# KiCad board PROC099A_PCB-PcbDoc.kicad_pcb (continued)
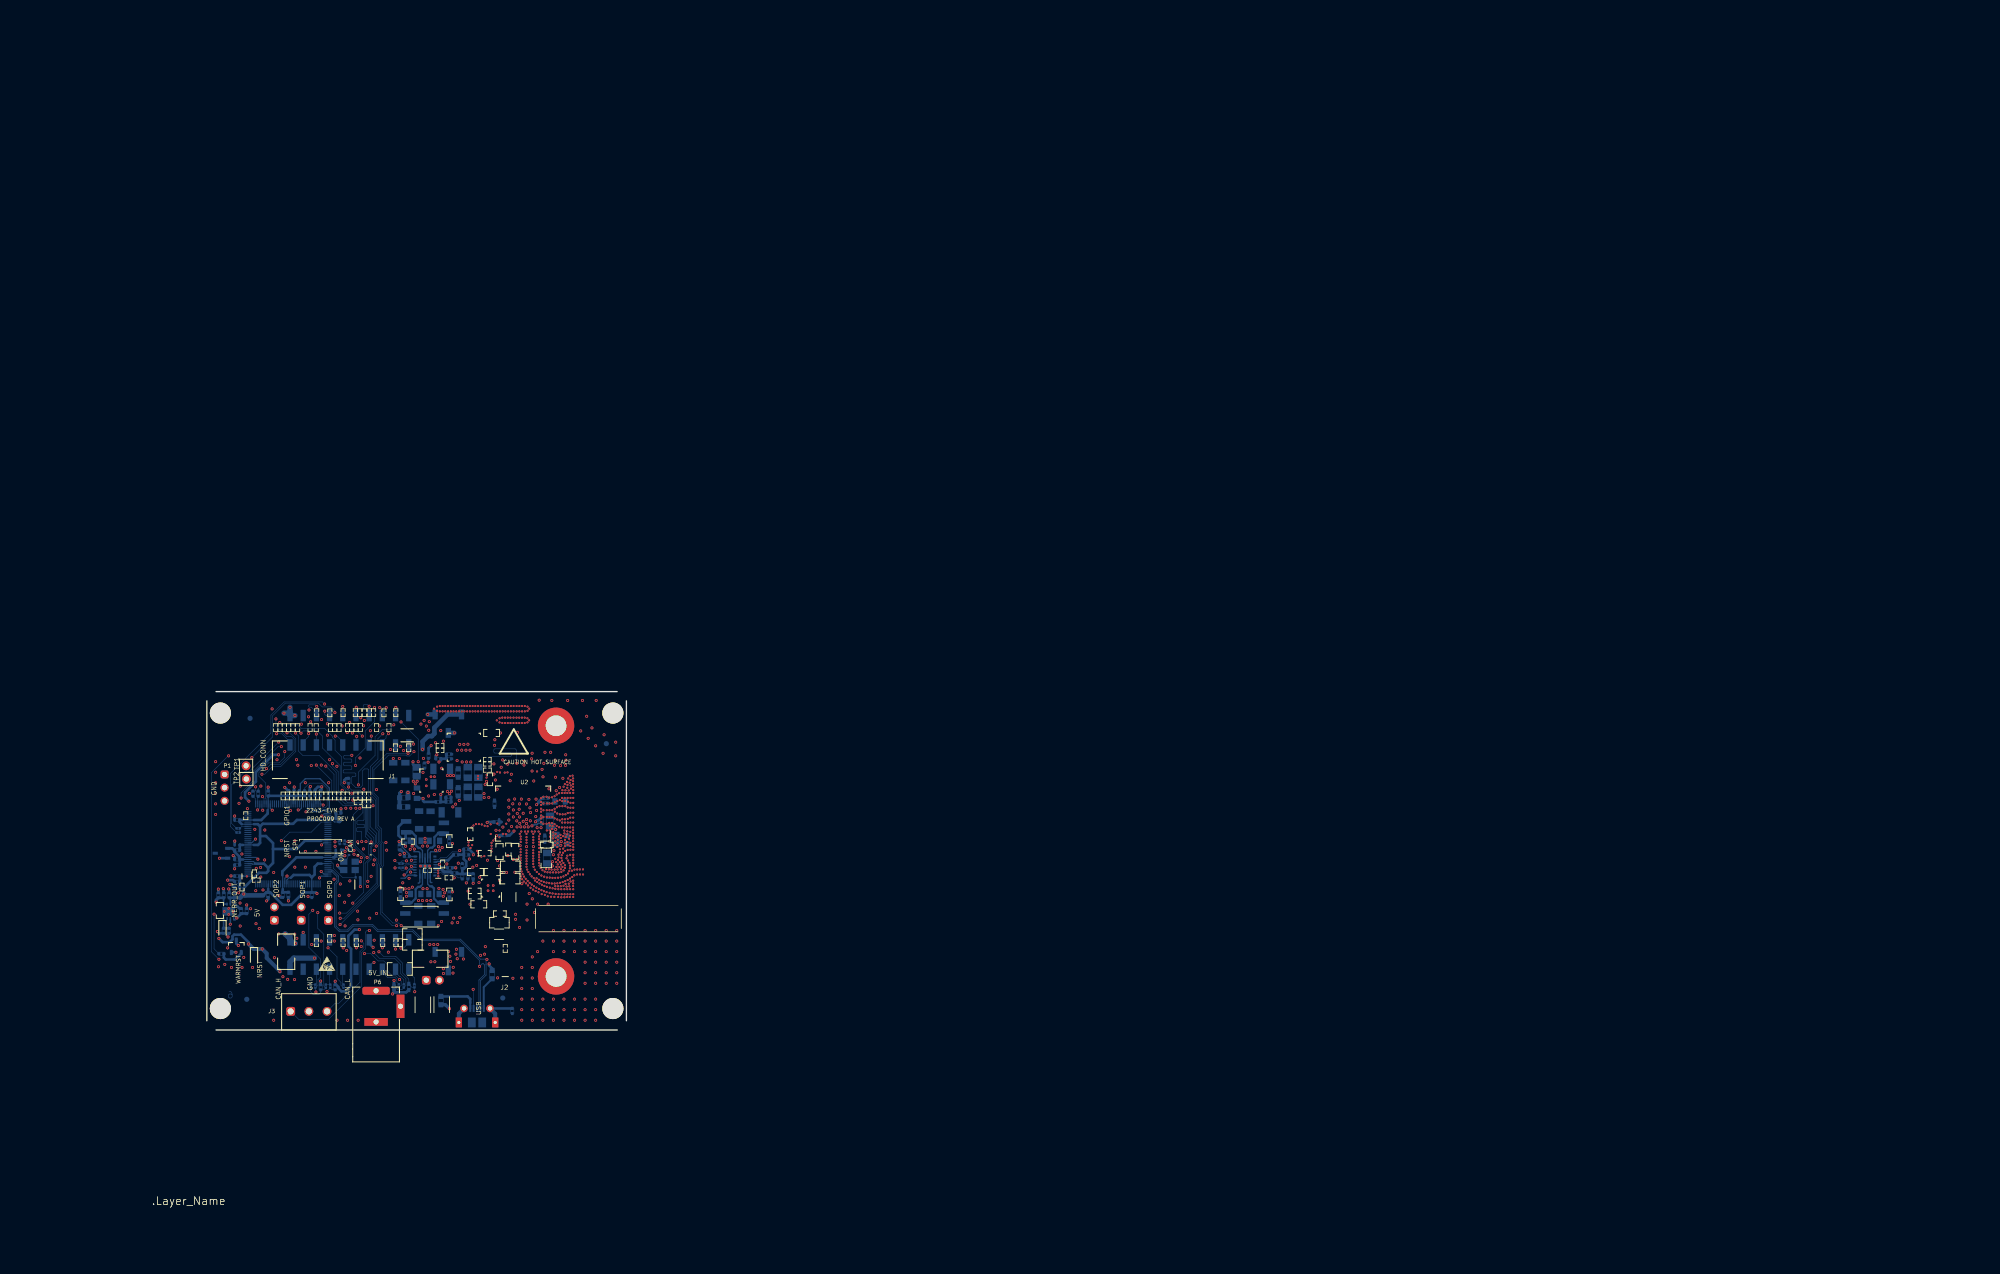
[diagram p0: board, top side]
## Routing (per net, layer and track width the routed paths; a pad name or vN(x,y) marks a point on that pad's centre or on a via; arc(x,y) is an arc through that point) (continued)
46.07,45.95 ; 46.79,46.55 47.13,46.55 ; 47.3,45.61 47.63,45.61 ; 45.84,45.16 46.05,45.16 ; 44.93,49.38 45.6,49.38 ; 46.66,46.78 47,46.78 ; 45.89,46.03 46.1,46.03 ; 44.1,46.18 44.33,46.18 ; 46.17,44.04 46.37,44.04 ; 43.97,45.78 44.18,45.78 ; 44.55,48.71 44.89,48.71 ; 44.31,44.32 44.51,44.32 ; 44.93,45.89 45.14,45.89 ; 41.36,43.08 41.7,43.08 ; 44.46,48.56 44.8,48.56 ; 44.47,48.57 44.81,48.57 ; 45.17,44.59 45.38,44.59 ; 42.82,45.68 43.17,45.68 ; 46.29,47.46 46.64,47.46 ; 47.7,44.85 48.04,44.85 ; 46.21,47.61 46.56,47.61 ; 45.87,45.98 46.09,45.98 ; 43.9,47.56 44.24,47.56 ; 45.12,49.71 45.41,49.71 ; 46.17,44.13 46.38,44.13 ; 42.22,44.62 42.57,44.62 ; 44.86,49.25 45.2,49.25 ; 44.07,46.11 44.3,46.11 ; 45.81,45.41 46.01,45.41 ; 48.51,43.35 48.85,43.35 ; 41.99,44.2 42.33,44.2 ; 43.48,46.84 43.83,46.84 ; 43.26,46.44 43.6,46.44 ; 43.36,46.61 43.7,46.61 ; 41.77,43.82 42.12,43.82 ; 45.83,48.32 46.17,48.32 ; 45.19,44.53 45.41,44.53 ; 43.18,46.3 43.52,46.3 ; 45.04,44.85 45.27,44.85 ; 45.98,44.79 46.2,44.79 ; 41.24,42.81 49.1,42.81 ; 44.17,46.3 44.37,46.3 ; 44.93,49.37 45.6,49.37 ; 46.72,46.67 47.06,46.67 ; 43.98,45.17 44.19,45.17 ; 45.81,45.42 46.01,45.42 ; 44.31,48.29 44.65,48.29 ; 45.44,49.05 45.78,49.05 ; 43.99,45.15 44.2,45.15 ; 42.81,45.65 43.15,45.65 ; 45.8,45.59 46,45.59 ; 46.17,44.25 46.38,44.25 ; 45.08,49.64 45.46,49.64 ; 42.46,45.03 42.8,45.03 ; 44.33,44.17 44.52,44.17 ; 47.87,44.55 48.21,44.55 ; 43.87,47.52 44.22,47.52 ; 46.16,44.01 46.37,44.01 ; 45.96,46.2 46.19,46.2 ; 41.78,43.83 42.12,43.83 ; 43.04,46.07 43.39,46.07 ; 43.33,46.57 43.68,46.57 ; 42.26,44.68 42.6,44.68 ; 42.95,45.89 43.29,45.89 ; 45.64,48.67 45.98,48.67 ; 44.28,43.79 44.47,43.79 ; 48.04,44.22 48.39,44.22 ; 46.06,44.62 46.28,44.62 ; 48.25,43.85 48.59,43.85 ; 43.45,46.78 43.79,46.78 ; 44.21,48.12 44.55,48.12 ; 46.17,44.11 46.38,44.11 ; 44.01,45.92 44.22,45.92 ; 45.87,45.04 46.09,45.04 ; 47.68,44.89 48.02,44.89 ; 43.95,45.39 44.15,45.39 ; 44.25,48.19 44.59,48.19 ; 45.97,46.22 46.2,46.22 ; 46.14,47.75 46.48,47.75 ; 45.23,43.88 45.43,43.88 ; 45.04,49.57 45.49,49.57 ; 47.61,45.03 47.95,45.03 ; 43.38,46.66 43.73,46.66 ; 44.31,44.02 44.52,44.02 ; 44.76,49.09 45.1,49.09 ; 46.17,43.75 46.29,43.75 ; 46.6,46.9 46.94,46.9 ; 46.17,44.06 46.38,44.06 ; 46.17,44.06 arc(46.17,44.03) 46.16,44 ; 46.17,44.06 arc(46.17,44.09) 46.17,44.13 arc(46.18,44.15) 46.18,44.18 ; 43.41,46.7 43.75,46.7 ; 43.43,46.75 43.78,46.75 ; 43.99,47.73 44.33,47.73 ; 45.98,48.04 46.32,48.04 ; 45.25,44.35 45.46,44.35 ; 46.18,44.16 46.38,44.16 ; 46.15,43.95 46.36,43.95 ; 41.94,44.11 42.28,44.11 ; 44.92,45.84 45.13,45.84 ; 48.29,43.76 48.63,43.76 ; 45.02,46.13 45.24,46.13 ; 43.95,45.4 44.15,45.4 ; 43.22,46.37 43.56,46.37 ; 41.46,43.27 41.81,43.27 ; 41.24,42.76 49.11,42.76 ; 44.33,48.33 44.68,48.33 ; 44,45.89 44.21,45.89 ; 42.35,44.83 42.69,44.83 ; 47.84,44.6 48.18,44.6 ; 44.05,44.95 44.27,44.95 ; 45.82,45.24 46.03,45.24 ; 46.07,44.61 46.28,44.61 ; 47.37,45.47 47.71,45.47 ; 43.98,45.8 44.18,45.8 ; 44.32,44.27 44.52,44.27 ; 41.48,43.3 41.82,43.3 ; 43.95,45.47 44.15,45.47 ; 45.76,48.45 46.1,48.45 ; 48.52,43.34 48.86,43.34 ; 45.81,45.71 46.02,45.71 ; 48.67,43.06 49,43.06 ; 46.64,46.83 46.98,46.83 ; 41.24,42.79 49.11,42.79 ; 42.48,45.07 42.82,45.07 ; 46.05,46.36 46.2,46.36 ; 46.05,46.36 arc(46.03,46.33) 46,46.29 ; 44.6,48.8 44.94,48.8 ; 41.75,43.79 42.1,43.79 ; 42.07,44.35 42.42,44.35 ; 48.23,43.87 48.58,43.87 ; 43.75,47.31 44.09,47.31 ; 45.84,45.17 46.05,45.17 ; 45.11,44.72 45.33,44.72 ; 45.11,44.71 45.33,44.71 ; 47.78,44.71 48.12,44.71 ; 45.82,48.33 46.16,48.33 ; 48.28,44.42 48.51,43.99 ; 43.95,45.67 44.16,45.67 ; 45.22,43.85 45.42,43.85 ; 46.95,46.25 47.29,46.25 ; 45.09,49.66 45.44,49.66 ; 45.33,49.24 45.67,49.24 ; 42.34,44.82 42.69,44.82 ; 47.46,45.3 47.8,45.3 ; 43.62,47.07 43.96,47.07 ; 44.66,48.9 45,48.9 ; 45.99,46.27 46.22,46.27 ; 42.78,45.61 43.13,45.61 ; 43.89,47.55 44.23,47.55 ; 42.46,45.04 42.81,45.04 ; 44.99,46.08 45.21,46.08 ; 45.95,44.84 46.18,44.84 ; 45.52,48.89 45.86,48.89 ; 46,44.76 46.22,44.76 ; 48.24,43.86 48.58,43.86 ; 47.04,46.09 47.38,46.09 ; 45.81,45.36 46.01,45.36 ; 41.72,43.72 42.06,43.72 ; 45.72,48.52 46.06,48.52 ; 44.77,49.1 45.11,49.1 ; 44.9,45.29 45.11,45.29 ; 44.93,45.18 45.13,45.18 ; 48.14,44.04 48.48,44.04 ; 42.87,45.75 43.21,45.75 ; 47.18,45.81 47.52,45.81 ; 43.44,46.77 43.79,46.77 ; 43.01,46 43.35,46 ; 48.19,43.94 48.53,43.94 ; 44.7,48.97 45.04,48.97 ; 41.85,43.95 42.19,43.95 ; 48.19,43.95 48.53,43.95 ; 43.92,47.6 44.26,47.6 ; 43.97,45.23 44.18,45.23 ; 42.2,44.57 42.54,44.57 ; 45.36,49.19 45.71,49.19 ; 46.17,47.69 46.51,47.69 ; 43,45.98 43.34,45.98 ; 42.69,45.44 43.04,45.44 ; 47.11,45.95 47.45,45.95 ; 43.96,45.72 44.17,45.72 ; 44.32,44.11 44.52,44.11 ; 44.89,45.45 45.1,45.45 ; 43.17,46.29 43.52,46.29 ; 44.9,45.67 45.1,45.67 ; 44.65,48.88 44.99,48.88 ; 44.36,48.38 44.7,48.38 ; 47.49,45.25 47.82,45.25 ; 47.14,45.9 47.48,45.9 ; 41.33,43.02 41.67,43.02 ; 41.49,43.32 41.83,43.32 ; 44.99,44.98 45.21,44.98 ; 44.19,46.33 44.36,46.33 ; 44.27,48.22 44.61,48.22 ; 45.06,44.8 45.29,44.8 ; 47.53,45.18 47.86,45.18 ; 46.04,47.93 46.38,47.93 ; 45.82,45.25 46.03,45.25 ; 47.48,45.26 47.82,45.26 ; 47.07,46.03 47.41,46.03 ; 45.81,45.68 46.01,45.68 ; 41.34,43.04 41.68,43.04 ; 42.24,44.64 42.58,44.64 ; 45.26,43.75 45.37,43.75 ; 44.89,45.57 45.1,45.57 ; 48.59,43.21 48.93,43.21 ; 48.31,43.72 48.65,43.72 ; 48.5,43.37 48.84,43.37 ; 46.95,46.24 47.29,46.24 ; 44.32,44.29 44.52,44.29 ; 44.64,48.86 44.97,48.86 ; 46.15,43.93 46.35,43.93 ; 46.09,44.56 46.3,44.56 ; 44.32,43.73 44.41,43.73 ; 44,45.1 44.21,45.1 ; 46.09,47.84 46.43,47.84 ; 42.38,44.89 42.73,44.89 ; 44.09,44.86 44.31,44.86 ; 48.58,43.23 48.92,43.23 ; 44.04,46.03 44.26,46.03 ; 42.63,45.33 42.97,45.33 ; 44.89,45.55 45.1,45.55 ; 45.12,44.69 45.34,44.69 ; 45.37,49.18 45.71,49.18 ; 46.18,44.19 46.38,44.19 ; 45.32,49.26 45.66,49.26 ; 46.28,47.48 46.62,47.48 ; 44.89,45.37 45.1,45.37 ; 41.74,43.76 42.08,43.76 ; 48.16,44.01 48.5,44.01 ; 48.06,44.19 48.4,44.19 ; 46.64,46.82 46.98,46.82 ; 47.15,45.87 47.49,45.87 ; 45.55,48.84 45.89,48.84 ; 47.77,44.74 48.11,44.74 ; 46.7,46.7 47.05,46.7 ; 44.9,45.66 45.1,45.66 ; 42.79,45.62 43.14,45.62 ; 41.61,43.53 41.96,43.53 ; 44.9,45.3 45.11,45.3 ; 44.07,44.9 44.29,44.9 ; 48.51,43.36 48.85,43.36 ; 45.95,44.86 46.17,44.86 ; 43.39,46.67 43.73,46.67 ; 45.66,48.64 46,48.64 ; 44.45,48.54 44.79,48.54 ; 44.93,45.19 45.13,45.19 ; 46.44,47.19 46.78,47.19 ; 42.55,45.2 42.9,45.2 ; 47.54,45.15 47.88,45.15 ; 46.18,44.21 46.38,44.21 ; 41.73,43.75 42.08,43.75 ; 41.9,44.05 42.25,44.05 ; 44.49,48.61 44.83,48.61 ; 44.28,43.8 44.47,43.8 ; 44.07,46.11 44.3,46.11 ; 42.01,44.24 42.35,44.24 ; 41.38,43.12 41.72,43.12 ; 44.97,46.01 45.18,46.01 ; 44.85,49.24 45.19,49.24 ; 44.95,45.08 45.17,45.08 ; 43.65,47.13 43.99,47.13 ; 46.82,46.49 47.16,46.49 ; 44.89,45.39 45.1,45.39 ; 47.42,45.38 47.76,45.38 ; 46.17,44.23 46.38,44.23 ; 48.2,43.93 48.54,43.93 ; 44.26,48.2 44.6,48.2 ; 44.08,47.89 44.42,47.89 ; 45.23,44.43 45.44,44.43 ; 44.98,45.01 45.19,45.01 ; 46.13,47.76 46.48,47.76 ; 41.26,42.9 49.08,42.9 ; 45.83,45.18 46.05,45.18 ; 46.13,44.45 46.34,44.45 ; 46.14,43.88 46.34,43.88 ; 44.21,44.61 44.43,44.61 ; 41.25,42.73 49.1,42.73 ; 45.65,48.65 45.99,48.65 ; 45.81,45.44 46.01,45.44 ; 46.16,44.02 46.37,44.02 ; 43.99,45.85 44.19,45.85 ; 44.93,45.17 45.14,45.17 ; 42.56,45.22 42.91,45.22 ; 48.06,44.2 48.4,44.2 ; 41.43,43.21 41.77,43.21 ; 46.78,46.56 47.12,46.56 ; 46.09,47.85 46.43,47.85 ; 48.55,43.29 48.88,43.29 ; 45.78,48.4 46.13,48.4 ; 42.13,44.45 42.48,44.45 ; 43.03,46.05 43.38,46.05 ; 41.9,44.04 42.24,44.04 ; 47.02,46.12 47.36,46.12 ; 45.69,48.58 46.03,48.58 ; 43.95,45.64 44.16,45.64 ; 45.86,45.94 46.07,45.94 ; 48.31,43.73 48.65,43.73 ; 47.88,44.52 48.22,44.52 ; 44.88,49.29 45.22,49.29 ; 43.19,46.32 43.53,46.32 ; 47.87,44.54 48.21,44.54 ; 43.14,46.23 43.48,46.23 ; 47.86,44.56 48.2,44.56 ; 42.02,44.26 42.36,44.26 ; 42.87,45.76 43.22,45.76 ; 41.24,42.78 49.11,42.78 ; 41.28,42.7 49.07,42.7 ; 44.99,46.07 45.2,46.07 ; 43.96,45.29 44.17,45.29 ; 48.54,43.31 48.87,43.31 ; 45.23,43.79 45.4,43.79 ; 45.82,45.76 46.03,45.76 ; 45.87,45.99 46.09,45.99 ; 44,45.9 44.21,45.9 ; 45.34,49.22 45.68,49.22 ; 48.56,43.26 48.9,43.26 ; 47.29,45.62 47.63,45.62 ; 45.24,43.77 45.39,43.77 ; 44.94,45.92 45.15,45.92 ; 45.98,46.24 46.21,46.24 ; 46.03,44.69 46.25,44.69 ; 42.72,45.49 43.06,45.49 ; 43.15,46.25 43.5,46.25 ; 44.2,48.1 44.54,48.1 ; 43.63,47.09 43.97,47.09 ; 47.98,44.34 48.32,44.34 ; 42.56,45.21 42.9,45.21 ; 44.05,47.84 44.39,47.84 ; 45.26,44.03 45.46,44.03 ; 42.74,45.53 43.09,45.53 ; 45.82,45.27 46.02,45.27 ; 41.24,42.82 49.1,42.82 ; 42.22,44.61 42.56,44.61 ; 44.12,46.22 44.35,46.22 ; 44.06,47.85 44.4,47.85 ; 46.38,47.3 46.72,47.3 ; 45.23,43.81 45.41,43.81 ; 43.7,47.22 44.04,47.22 ; 44.94,49.39 45.59,49.39 ; 41.31,42.67 49.04,42.67 49.08,42.71 ; 46.09,44.55 46.31,44.55 ; 42.6,45.27 42.94,45.27 ; 46.18,47.67 46.52,47.67 ; 44.32,44.13 44.52,44.13 ; 45.2,44.52 45.41,44.52 ; 45.66,48.63 46,48.63 ; 45.27,44.19 45.47,44.19 ; 44.3,43.94 44.51,43.94 ; 44.16,44.72 44.38,44.72 ; 46.69,46.73 47.03,46.73 ; 45.77,48.42 46.12,48.42 ; 42.31,44.78 42.66,44.78 ; 45.27,44.18 45.47,44.18 ; 46.15,47.72 46.5,47.72 ; 47.91,44.46 48.25,44.46 ; 43.86,47.5 44.2,47.5 ; 44.9,45.65 45.1,45.65 ; 45.23,43.9 45.44,43.9 ; 45.8,45.52 46,45.52 ; 44.08,44.88 44.3,44.88 ; 45.97,48.06 46.31,48.06 ; 47.27,45.66 47.61,45.66 ; 45.86,48.27 46.2,48.27 ; 46.89,46.36 47.23,46.36 ; 47.7,44.86 48.04,44.86 ; 47.69,44.88 48.03,44.88 ; 45.82,45.79 46.03,45.79 ; 44.13,44.78 44.35,44.78 ; 47.02,46.11 47.36,46.11 ; 45.04,46.18 45.27,46.18 ; 44.89,45.56 45.1,45.56 ; 44.75,49.07 45.09,49.07 ; 44.91,45.25 45.12,45.25 ; 44.42,48.48 44.76,48.48 ; 45.3,49.3 45.64,49.3 ; 45.82,45.78 46.03,45.78 ; 41.26,42.91 49.08,42.91 ; 46.58,46.93 46.92,46.93 ; 47.91,44.47 48.25,44.47 ; 47.26,45.67 47.6,45.67 ; 45.69,48.57 46.04,48.57 ; 47.09,45.99 47.43,45.99 ; 45.85,45.1 46.07,45.1 ; 44.33,44.21 44.52,44.21 ; 42.01,44.25 42.36,44.25 ; 43.95,45.55 44.15,45.55 ; 44.87,49.27 45.21,49.27 ; 44.32,44.08 44.52,44.08 ; 44.07,47.87 44.41,47.87 ; 47.56,45.11 47.9,45.11 ; 44.28,44.42 44.5,44.42 ; 44.9,45.69 45.11,45.69 ; 44.32,44.09 44.52,44.09 ; 41.25,42.74 49.1,42.74 ; 44.89,45.47 45.1,45.47 ; 42.11,44.41 42.45,44.41 ; 42.49,45.09 42.84,45.09 ; 44.01,45.08 44.22,45.08 ; 45.15,44.62 45.37,44.62 ; 43.96,45.35 44.16,45.35 ; 46.08,46.38 46.18,46.38 ; 46.21,47.62 46.55,47.62 ; 45.01,44.92 45.23,44.92 ; 44.32,44.24 44.52,44.24 ; 43.46,46.8 43.81,46.8 ; 43.95,45.58 44.15,45.58 ; 47.5,45.23 47.84,45.23 ; 42.5,45.1 42.84,45.1 ; 45.63,48.7 45.97,48.7 ; 44.44,48.51 44.77,48.51 ; 42.4,44.92 42.74,44.92 ; 41.86,43.98 42.21,43.98 ; 44.95,49.41 45.58,49.41 ; 41.44,43.23 41.78,43.23 ; 48.15,44.02 48.49,44.02 ; 48.35,43.65 48.69,43.65 ; 45.06,49.6 45.48,49.6 ; 46.75,46.61 47.09,46.61 ; 42.9,45.81 43.25,45.81 ; 43.97,45.26 44.17,45.26 ; 48.23,43.88 48.57,43.88 ; 45.26,44.05 45.46,44.05 ; 44.61,48.82 44.95,48.82 ; 43.08,46.13 43.43,46.13 ; 44.4,48.44 44.74,48.44 ; 42.25,44.67 42.6,44.67 ; 44.09,46.15 44.32,46.15 ; 42.61,45.29 42.95,45.29 ; 45.26,44.04 45.46,44.04 ; 46.48,47.12 46.82,47.12 ; 41.42,43.19 41.76,43.19 ; 43.47,46.82 43.82,46.82 ; 47.82,44.64 48.16,44.64 ; 46.04,44.67 46.26,44.67 ; 44.36,48.37 44.7,48.37 ; 42.07,44.35 42.41,44.35 ; 44.18,44.68 44.4,44.68 ; 41.71,43.71 42.05,43.71 ; 45.81,45.29 46.02,45.29 ; 44.1,47.91 44.44,47.91 ; 44.56,48.74 44.9,48.74 ; 43.98,45.2 44.19,45.2 ; 45.53,48.87 45.87,48.87 ; 45.18,44.57 45.39,44.57 ; 45.14,44.65 45.36,44.65 ; 44.25,48.18 44.59,48.18 ; 45.81,45.64 46.01,45.64 ; 45.99,44.78 46.21,44.78 ; 45.95,46.18 46.18,46.18 ; 43.49,46.85 43.83,46.85 ; 46.98,46.19 47.32,46.19 ; 43.24,46.41 43.58,46.41 ; 45.36,49.2 45.7,49.2 ; 42.99,45.97 43.33,45.97 ; 45.33,49.23 45.68,49.23 ; 42.68,45.42 43.02,45.42 ; 43.74,47.29 44.08,47.29 ; 44.97,49.45 45.56,49.45 ; 47.92,44.45 48.26,44.45 ; 42.67,45.4 43.01,45.4 ; 44,45.09 44.21,45.09 ; 41.8,43.87 42.14,43.87 ; 47.76,44.75 48.1,44.75 ; 46.06,47.89 46.41,47.89 ; 45.49,48.94 45.84,48.94 ; 44.03,47.8 44.37,47.8 ; 45.82,45.23 46.03,45.23 ; 42.18,44.54 42.53,44.54 ; 44.89,45.48 45.1,45.48 ; 43.38,46.65 43.72,46.65 ; 42.66,45.38 43,45.38 ; 43.8,47.39 44.14,47.39 ; 45.26,44.24 45.47,44.24 ; 43.82,47.44 44.17,47.44 ; 47.15,45.88 47.49,45.88 ; 41.29,42.96 49.06,42.96 ; 46.96,46.23 47.3,46.23 ; 42.97,45.93 43.31,45.93 ; 46.29,47.47 46.63,47.47 ; 41.36,43.07 41.69,43.07 ; 43.95,45.51 44.15,45.51 ; 45.09,49.65 45.44,49.65 ; 45.81,48.36 46.15,48.36 ; 45.68,48.59 46.03,48.59 ; 43.97,45.76 44.17,45.76 ; 42.44,45 42.79,45 ; 47.08,46 47.42,46 ; 43.84,47.46 44.18,47.46 ; 44.03,47.81 44.38,47.81 ; 44.62,48.83 44.96,48.83 ; 41.68,43.65 42.02,43.65 ; 44.31,44 44.51,44 ; 43.96,45.34 44.16,45.34 ; 46.93,46.28 47.27,46.28 ; 45.26,44.14 45.47,44.14 ; 44.3,43.92 44.51,43.92 ; 45.99,48.02 46.33,48.02 ; 41.39,43.14 41.73,43.14 ; 45.08,46.25 45.31,46.25 ; 44.97,49.44 45.57,49.44 ; 43.5,46.87 43.84,46.87 ; 44.92,45.22 45.12,45.22 ; 44.22,48.13 44.56,48.13 ; 44.31,48.3 44.65,48.3 ; 42.53,45.16 42.87,45.16 ; 45.56,48.82 45.9,48.82 ; 44.73,49.02 45.06,49.02 ; 44.91,45.27 45.11,45.27 ; 44.42,48.49 44.76,48.49 ; 43.95,45.68 44.16,45.68 ; 44.3,44.38 44.51,44.38 ; 45.84,45.15 46.05,45.15 ; 43.95,45.5 44.15,45.5 ; 46.13,47.77 46.47,47.77 ; 44.89,45.62 45.1,45.62 ; 44.9,45.34 45.1,45.34 ; 44.01,45.94 44.22,45.94 ; 45.29,49.31 45.64,49.31 ; 45.07,46.24 45.3,46.24 ; 45.04,49.58 45.49,49.58 ; 46.42,47.23 46.76,47.23 ; 44.31,44.35 44.51,44.35 ; 41.41,43.17 41.75,43.17 ; 44.56,48.73 44.9,48.73 ; 45.13,44.68 45.35,44.68 ; 45.06,44.81 45.28,44.81 ; 45.09,46.28 45.31,46.28 ; 44.91,45.77 45.12,45.77 ; 45.22,44.46 45.43,44.46 ; 43.95,45.6 44.16,45.6 ; 46.19,47.65 46.54,47.65 ; 43.98,47.72 44.33,47.72 ; 43.98,45.83 44.19,45.83 ; 46.06,44.63 46.28,44.63 ; 48.43,43.5 48.77,43.5 ; 46.14,44.43 46.35,44.43 ; 46.17,44.24 46.38,44.24 ; 41.6,43.5 41.94,43.5 ; 44.13,47.97 44.47,47.97 ; 42.11,44.42 42.46,44.42 ; 44.32,44.23 44.52,44.23 ; 42.49,45.08 42.83,45.08 ; 41.6,43.51 41.94,43.51 ; 47.58,45.09 47.91,45.09 ; 44.89,45.51 45.1,45.51 ; 44.98,49.46 45.56,49.46 ; 43.95,45.46 44.15,45.46 ; 45.26,44.27 45.47,44.27 ; 45.24,44.4 45.45,44.4 ; 46.8,46.52 47.15,46.52 ; 44.96,45.99 45.17,45.99 ; 46.88,46.37 47.22,46.37 ; 47.25,45.69 47.59,45.69 ; 45.85,45.91 46.06,45.91 ; 47.16,45.86 47.5,45.86 ; 44.32,44.04 44.52,44.04 ; 45.05,49.59 45.48,49.59 ; 44.97,46.03 45.19,46.03 ; 45.85,45.92 46.06,45.92 ; 43.95,45.48 44.15,45.48 ; 43.57,46.99 43.91,46.99 ; 44.23,48.15 44.57,48.15 ; 46.67,46.76 47.01,46.76 ; 47.92,44.44 48.26,44.44 ; 47.56,45.12 47.9,45.12 ; 47.17,45.83 47.51,45.83 ; 44.49,48.6 44.82,48.6 ; 47.47,45.27 47.81,45.27 ; 44.91,45.78 45.12,45.78 ; 44.22,44.59 44.44,44.59 ; 45.8,45.6 46.01,45.6 ; 44.11,47.93 44.45,47.93 ; 48.37,43.61 48.71,43.61 ; 44.29,43.76 44.45,43.76 ; 44.89,45.49 45.1,45.49 ; 44.6,48.79 44.94,48.79 ; 41.25,42.89 49.09,42.89 ; 46.55,46.99 46.89,46.99 ; 45.11,46.31 45.32,46.31 ; 43.96,45.71 44.17,45.71 ; 48.07,44.17 48.41,44.17 ; 45.02,44.9 45.24,44.9 ; 44.32,44.07 44.52,44.07 ; 46.07,46.37 46.19,46.37 ; 42.7,45.45 43.04,45.45 ; 46.39,47.28 46.73,47.28 ; 43.39,46.68 43.74,46.68 ; 45.42,49.07 45.77,49.07 ; 44.38,48.42 44.73,48.42 ; 45.89,45 46.11,45 arc(46.08,45.07) 46.06,45.13 arc(46.04,45.2) 46.03,45.26 arc(46.02,45.33) 46.01,45.41 arc(46,45.5) 46.01,45.6 ; 45,49.51 45.53,49.51 ; 44.14,44.75 44.37,44.75 ; 44.16,46.28 44.37,46.28 ; 43.03,46.04 43.37,46.04 ; 44.04,44.98 44.26,44.98 ; 46.12,47.79 46.46,47.79 ; 45.61,48.73 45.95,48.73 ; 46.14,43.8 46.32,43.8 ; 45.5,48.93 45.84,48.93 ; 44.95,45.97 45.17,45.97 ; 45.26,44.12 45.47,44.12 ; 43.56,46.97 43.9,46.97 ; 48.6,43.19 48.94,43.19 ; 44.61,48.81 44.95,48.81 ; 46.52,47.04 46.86,47.04 ; 45.27,44.21 45.47,44.21 ; 47.95,44.39 48.29,44.39 ; 43.95,45.59 44.16,45.59 ; 44.28,43.86 44.49,43.86 ; 43.99,45.14 44.2,45.14 ; 41.27,42.92 49.07,42.92 ; 46.01,47.98 46.35,47.98 ; 47.34,45.53 47.68,45.53 ; 44.9,49.32 45.23,49.32 ; 43.99,45.16 44.19,45.16 ; 46.01,44.74 46.23,44.74 ; 44.69,48.96 45.03,48.96 ; 41.61,43.52 41.95,43.52 ; 42.5,45.11 42.85,45.11 ; 44.32,44.1 44.52,44.1 ; 45.2,44.5 45.42,44.5 ; 44.99,49.48 45.54,49.48 ; 42.05,44.31 42.39,44.31 ; 45.88,45.03 46.09,45.03 ; 44.24,46.37 44.32,46.37 ; 44.93,45.86 45.14,45.86 ; 44.44,48.52 44.78,48.52 ; 41.71,43.7 42.05,43.7 ; 44.89,45.38 45.1,45.38 ; 46.17,44.29 46.38,44.29 ; 41.31,42.67 49.04,42.67 ; 43.97,45.74 44.17,45.74 ; 48.69,43.02 49.02,43.02 ; 41.39,43.13 41.73,43.13 ; 48.13,44.06 48.47,44.06 ; 45.83,45.84 46.04,45.84 ; 46.28,47.49 46.62,47.49 ; 48.61,43.17 48.95,43.17 ; 44.73,49.03 45.07,49.03 ; 44.32,44.03 44.52,44.03 ; 44.8,49.15 45.14,49.15 ; 43.34,46.58 43.68,46.58 ; 42.52,45.15 42.87,45.15 ; 47.07,46.02 47.41,46.02 ; 45.03,46.15 45.25,46.15 ; 42.55,45.19 42.89,45.19 ; 41.25,42.88 49.09,42.88 ; 43.07,46.11 43.42,46.11 ; 44.95,45.1 45.16,45.1 ; 41.66,43.62 42.01,43.62 ; 44.89,45.44 45.1,45.44 ; 43.55,46.96 43.89,46.96 ; 46.45,47.18 46.79,47.18 ; 44.88,49.28 45.21,49.28 ; 48.22,43.89 48.56,43.89 ; 44.98,46.05 45.2,46.05 ; 44.99,49.49 45.54,49.49 ; 46.17,44.31 46.37,44.31 ; 43.96,45.7 44.17,45.7 ; 42.32,44.79 42.67,44.79 ; 44.1,44.83 44.33,44.83 ; 43.54,46.95 43.89,46.95 ; 47.83,44.61 48.17,44.61 ; 48.01,44.29 48.35,44.29 ; 48.59,43.2 48.93,43.2 ; 46.74,46.63 47.08,46.63 ; 42.32,44.79 42.66,44.79 ; 46.15,44.39 46.36,44.39 ; 45.59,48.76 45.94,48.76 ; 46.13,43.83 46.33,43.83 ; 44.01,47.76 44.35,47.76 ; 46.22,46.27 arc(46.22,46.28) 46.22,46.3 ; 46.31,44.56 arc(46.34,44.45) 46.37,44.35 arc(46.38,44.25) 46.38,44.16 arc(46.37,44.05) 46.36,43.95 arc(46.35,43.92) 46.35,43.89 arc(46.34,43.86) 46.33,43.84 arc(46.32,43.82) 46.32,43.79 arc(46.31,43.78) 46.31,43.77 ; 46.28,43.74 arc(46.26,43.73) 46.24,43.73 arc(46.23,43.73) 46.21,43.73 arc(46.19,43.74) 46.17,43.75 arc(46.16,43.76) 46.15,43.78 arc(46.14,43.8) 46.13,43.82 arc(46.13,43.84) 46.14,43.87 arc(46.14,43.91) 46.15,43.95 ; 46.01,45.6 arc(46.01,45.7) 46.03,45.79 arc(46.05,45.88) 46.08,45.97 arc(46.12,46.06) 46.16,46.16 arc(46.18,46.19) 46.2,46.22 arc(46.21,46.25) 46.22,46.27 ; 46.11,45 arc(46.15,44.91) 46.19,44.83 arc(46.25,44.69) 46.31,44.56 ; 46.18,44.18 arc(46.17,44.25) 46.17,44.31 ; 46.15,43.95 arc(46.16,43.98) 46.16,44 ; 46.28,43.74 arc(46.29,43.76) 46.31,43.77
  Bottom w0.1: 3.16,14.39 3.16,14.99 ; 46.16,43.62 46.16,44.22 ; 26.97,47.62 27.57,47.62 ; 38.58,7.94 39.18,7.94 ; 46.37,35.98 46.97,35.98 ; 65.34,39.58 66.79,39.58 ; 17.5,45.93 18.1,45.93 ; 55.43,39.74 55.43,40.34 ; 44.58,6.21 45.53,6.21 ; 39.79,8.29 40.12,8.29 ; 20.54,45.23 21.14,45.23 ; 37.76,8.7 38.09,8.7 ; 48.89,29.93 49.49,29.93 ; 49.59,33.47 49.59,34.07 ; 6.25,37.85 6.25,38.18 ; 36.8,8.27 37.13,8.27 ; 36.8,35.52 37.4,35.52 ; 37.76,8.27 38.09,8.27 ; 11.52,45.88 12.12,45.88 ; 19.91,25.65 20.51,25.65 ; 26.37,35.93 26.7,35.93 ; 66.43,36.02 67.88,36.02 ; 49.51,48.94 50.96,48.94 ; 19.52,45.93 20.12,45.93 ; 64.79,32.43 66.24,32.43 ; 46.97,51.93 46.97,52.53 ; 35.72,7.94 36.32,7.94 ; 64.87,43.32 64.87,43.92 ; 51.54,48.94 52.99,48.94 ; 51.54,50.24 52.99,50.24 ; 3.98,19.46 4.58,19.46 ; 47.92,48.93 48.87,48.93 ; 5.49,32.53 5.49,33.13 ; 5.5,34.3 5.5,34.9 ; 2.93,19.46 3.53,19.46 ; 57.67,37.19 57.67,37.79 ; 15.41,26.38 16.01,26.38 ; 19.91,26.35 20.51,26.35 ; 49.51,50.24 50.96,50.24 ; 6.19,31.48 6.19,32.08 ; 49.93,29.94 50.53,29.94 ; 18.51,45.93 19.11,45.93 ; 20.54,45.93 21.14,45.93 ; 26.37,36.36 26.7,36.36 ; 46.86,43.62 46.86,44.22 ; 6.2,27.14 6.2,27.74 ; 5.05,25.6 5.65,25.6 ; 5.5,28.24 5.5,28.84 ; 48.02,29.93 48.02,30.53 ; 20.72,8.64 21.05,8.64 ; 44.92,51.93 44.92,52.53 ; 64.17,40.71 64.77,40.71 ; 5.5,27.14 5.5,27.74 ; 21.54,45.93 22.14,45.93 ; 36.98,25.81 37.58,25.81 ; 21.54,45.23 22.14,45.23 ; 51.54,45.15 52.99,45.15 ; 55.08,43.92 55.68,43.92 ; 19.85,8.21 20.18,8.21 ; 46.87,44.51 46.87,45.11 ; 64.75,37.19 65.35,37.19 ; 24.98,41.47 24.98,42.07 ; 36.8,34.82 37.4,34.82 ; 5.82,38.66 5.82,38.99 ; 54.46,11.22 55.41,11.22 ; 19.52,45.23 20.12,45.23 ; 23.6,8.21 23.93,8.21 ; 25.41,35.93 25.74,35.93 ; 7.37,22.54 7.97,22.54 ; 50.29,34.5 50.29,35.1 ; 65.34,40.88 66.79,40.88 ; 6.18,40.13 6.18,40.73 ; 44.22,51.93 44.22,52.53 ; 41.59,51.26 42.19,51.26 ; 46.39,26.46 46.99,26.46 ; 6.2,28.24 6.2,28.84 ; 21.61,7.87 22.21,7.87 ; 50.29,33.47 50.29,34.07 ; 65.57,43.32 65.57,43.92 ; 36.8,8.7 37.13,8.7 ; 14.32,25.68 14.92,25.68 ; 46.17,44.51 46.17,45.11 ; 48.88,31.91 49.48,31.91 ; 36.98,26.51 37.58,26.51 ; 64.79,33.73 66.24,33.73 ; 38.86,33.14 38.86,33.74 ; 25.68,41.47 25.68,42.07 ; 37.33,42.49 37.33,43.44 ; 44.89,43.62 44.89,44.22 ; 6.2,29.32 6.2,29.92 ; 48.88,31.21 49.48,31.21 ; 64.75,36.49 65.35,36.49 ; 24.41,8.57 25.01,8.57 ; 55.08,43.22 55.68,43.22 ; 25.68,40.42 25.68,41.02 ; 24.41,7.87 25.01,7.87 ; 46.97,52.79 46.97,53.39 ; 2.96,25.59 3.56,25.59 ; 47.92,46.41 48.87,46.41 ; 6.2,34.3 6.2,34.9 ; 37.59,31.06 37.59,31.39 ; 37.37,44.26 37.37,45.21 ; 2.93,18.76 3.53,18.76 ; 25.68,33.25 25.68,33.85 ; 11.5,25.67 12.1,25.67 ; 1.92,26.28 2.52,26.28 ; 51.54,46.45 52.99,46.45 ; 37.16,31.88 37.16,32.21 ; 4.01,26.3 4.61,26.3 ; 21.61,8.57 22.21,8.57 ; 35.72,8.64 36.32,8.64 ; 58.5,4.02 59.1,4.02 ; 66.43,37.32 67.88,37.32 ; 42.39,52.45 42.99,52.45 ; 37.97,36.83 38.57,36.83 ; 26.14,8.65 26.47,8.65 ; 17.5,45.23 18.1,45.23 ; 18.51,45.23 19.11,45.23 ; 24.98,40.42 24.98,41.02 ; 64.17,40.01 64.77,40.01 ; 58.5,3.32 59.1,3.32 ; 49.93,29.24 50.53,29.24 ; 3.98,18.76 4.58,18.76 ; 41.59,50.56 42.19,50.56 ; 50.98,29.23 51.58,29.23 ; 15.41,25.68 16.01,25.68 ; 20.72,8.21 21.05,8.21 ; 56.97,37.19 56.97,37.79 ; 22.74,8.64 23.07,8.64 ; 47.92,50.03 48.87,50.03 ; 6.25,38.66 6.25,38.99 ; 48.89,29.23 49.49,29.23 ; 19.85,8.64 20.18,8.64 ; 26.97,48.32 27.57,48.32 ; 47.32,29.93 47.32,30.53 ; 46.39,25.76 46.99,25.76 ; 68.9,37.14 69.85,37.14 ; 5.05,26.3 5.65,26.3 ; 15.47,45.93 16.07,45.93 ; 39.79,8.72 40.12,8.72 ; 64.87,44.34 64.87,44.94 ; 54.46,10.12 55.41,10.12 ; 25.41,36.36 25.74,36.36 ; 42.39,53.15 42.99,53.15 ; 50.98,29.93 51.58,29.93 ; 38.43,42.49 38.43,43.44 ; 37.59,31.88 37.59,32.21 ; 38.47,44.26 38.47,45.21 ; 23.6,8.64 23.93,8.64 ; 38.16,33.14 38.16,33.74 ; 68.9,36.04 69.85,36.04 ; 8.57,45.15 9.17,45.15 ; 8.57,45.85 9.17,45.85 ; 47.14,30.93 47.14,31.53 ; 37.97,36.13 38.57,36.13 ; 46.27,51.93 46.27,52.53 ; 47.92,45.31 48.87,45.31 ; 1.92,25.58 2.52,25.58 ; 24.98,33.25 24.98,33.85 ; 14.32,26.38 14.92,26.38 ; 46.44,30.93 46.44,31.53 ; 47.63,33.46 47.63,34.06 ; 44.19,43.62 44.19,44.22 ; 11.52,45.18 12.12,45.18 ; 26.14,8.22 26.47,8.22 ; 11.5,26.37 12.1,26.37 ; 65.57,44.34 65.57,44.94 ; 6.19,32.53 6.19,33.13 ; 6.32,22.55 6.92,22.55 ; 49.51,46.45 50.96,46.45 ; 46.37,36.68 46.97,36.68 ; 5.82,37.85 5.82,38.18 ; 49.51,45.15 50.96,45.15 ; 7.37,23.24 7.97,23.24 ; 39.68,49.07 41.13,49.07 ; 9.6,45.84 10.2,45.84 ; 56.13,39.74 56.13,40.34 ; 4.01,25.6 4.61,25.6 ; 22.74,8.21 23.07,8.21 ; 2.46,14.39 2.46,14.99 ; 6.32,23.25 6.92,23.25 ; 5.49,31.48 5.49,32.08 ; 49.59,34.5 49.59,35.1 ; 9.6,45.14 10.2,45.14 ; 39.68,50.37 41.13,50.37 ; 2.96,26.29 3.56,26.29 ; 48.33,33.46 48.33,34.06 ; 44.58,5.11 45.53,5.11 ; 5.5,29.32 5.5,29.92 ; 15.47,45.23 16.07,45.23 ; 38.58,8.64 39.18,8.64 ; 46.27,52.79 46.27,53.39 ; 37.16,31.06 37.16,31.39 ; 5.48,40.13 5.48,40.73 ; 4.01,26.5 4.61,26.5 4.61,25.4 4.01,25.4 4.01,26.5 ; 19.85,8.11 20.18,8.11 20.18,8.74 19.85,8.74 19.85,8.11 ; 24.78,40.42 24.78,41.02 25.88,41.02 25.88,40.42 24.78,40.42 ; 46.24,31.53 47.34,31.53 47.34,30.93 46.24,30.93 46.24,31.53 ; 15.41,26.58 16.01,26.58 16.01,25.48 15.41,25.48 15.41,26.58 ; 21.61,8.77 22.21,8.77 22.21,7.67 21.61,7.67 21.61,8.77 ; 47.17,51.93 47.17,52.53 46.07,52.53 46.07,51.93 47.17,51.93 ; 5.05,25.4 5.05,26.5 5.65,26.5 5.65,25.4 5.05,25.4 ; 8.57,44.95 9.17,44.95 9.17,46.05 8.57,46.05 8.57,44.95 ; 5.72,38.18 6.35,38.18 6.35,37.85 5.72,37.85 5.72,38.18 ; 37.96,33.14 37.96,33.74 39.06,33.74 39.06,33.14 37.96,33.14 ; 5.29,32.08 6.39,32.08 6.39,31.48 5.29,31.48 5.29,32.08 ; 2.52,25.38 2.52,26.48 1.92,26.48 1.92,25.38 2.52,25.38 ; 7.37,22.34 7.37,23.44 7.97,23.44 7.97,22.34 7.37,22.34 ; 20.72,8.11 20.72,8.74 21.05,8.74 21.05,8.11 20.72,8.11 ; 25.41,35.83 25.74,35.83 25.74,36.46 25.41,36.46 25.41,35.83 ; 5.29,32.53 6.39,32.53 6.39,33.13 5.29,33.13 5.29,32.53 ; 36.98,25.61 37.58,25.61 37.58,26.71 36.98,26.71 36.98,25.61 ; 38.76,42.49 38.76,43.44 37.01,43.44 37.01,42.49 38.76,42.49 ; 49.93,29.04 50.53,29.04 50.53,30.14 49.93,30.14 49.93,29.04 ; 14.32,25.48 14.32,26.58 14.92,26.58 14.92,25.48 14.32,25.48 ; 46.37,36.88 46.97,36.88 46.97,35.78 46.37,35.78 46.37,36.88 ; 51.54,48.49 51.54,50.69 52.99,50.69 52.99,48.49 51.54,48.49 ; 47.92,48.61 48.87,48.61 48.87,50.36 47.92,50.36 47.92,48.61 ; 3.98,18.56 4.58,18.56 4.58,19.66 3.98,19.66 3.98,18.56 ; 5.3,27.14 6.4,27.14 6.4,27.74 5.3,27.74 5.3,27.14 ; 5.3,28.24 6.4,28.24 6.4,28.84 5.3,28.84 5.3,28.24 ; 48.89,29.03 49.49,29.03 49.49,30.13 48.89,30.13 48.89,29.03 ; 22.14,45.03 22.14,46.13 21.54,46.13 21.54,45.03 22.14,45.03 ; 44.58,4.79 44.58,6.54 45.53,6.54 45.53,4.79 44.58,4.79 ; 64.79,31.98 64.79,34.18 66.24,34.18 66.24,31.98 64.79,31.98 ; 43.99,44.22 45.09,44.22 45.09,43.62 43.99,43.62 43.99,44.22 ; 37.97,35.93 37.97,37.03 38.57,37.03 38.57,35.93 37.97,35.93 ; 2.96,26.49 3.56,26.49 3.56,25.39 2.96,25.39 2.96,26.49 ; 5.72,38.66 6.35,38.66 6.35,38.99 5.72,38.99 5.72,38.66 ; 46.39,25.56 46.39,26.66 46.99,26.66 46.99,25.56 46.39,25.56 ; 41.13,48.62 41.13,50.82 39.68,50.82 39.68,48.62 41.13,48.62 ; 18.51,45.03 19.11,45.03 19.11,46.13 18.51,46.13 18.51,45.03 ; 55.08,43.02 55.68,43.02 55.68,44.12 55.08,44.12 55.08,43.02 ; 24.78,41.47 24.78,42.07 25.88,42.07 25.88,41.47 24.78,41.47 ; 46.07,52.79 47.17,52.79 47.17,53.39 46.07,53.39 46.07,52.79 ; 15.47,45.03 15.47,46.13 16.07,46.13 16.07,45.03 15.47,45.03 ; 23.6,8.11 23.93,8.11 23.93,8.74 23.6,8.74 23.6,8.11 ; 51.54,46.9 52.99,46.9 52.99,44.7 51.54,44.7 51.54,46.9 ; 39.18,7.74 39.18,8.84 38.58,8.84 38.58,7.74 39.18,7.74 ; 66.43,35.57 67.88,35.57 67.88,37.77 66.43,37.77 66.43,35.57 ; 64.67,43.92 65.77,43.92 65.77,43.32 64.67,43.32 64.67,43.92 ; 11.52,44.98 12.12,44.98 12.12,46.08 11.52,46.08 11.52,44.98 ; 45.96,43.62 45.96,44.22 47.06,44.22 47.06,43.62 45.96,43.62 ; 37.05,44.26 38.8,44.26 38.8,45.21 37.05,45.21 37.05,44.26 ; 9.6,46.04 10.2,46.04 10.2,44.94 9.6,44.94 9.6,46.04 ; 26.14,8.12 26.47,8.12 26.47,8.75 26.14,8.75 26.14,8.12 ; 19.91,25.45 20.51,25.45 20.51,26.55 19.91,26.55 19.91,25.45 ; 64.75,36.29 64.75,37.39 65.35,37.39 65.35,36.29 64.75,36.29 ; 6.4,29.32 6.4,29.92 5.3,29.92 5.3,29.32 6.4,29.32 ; 59.1,3.12 59.1,4.22 58.5,4.22 58.5,3.12 59.1,3.12 ; 6.32,23.45 6.92,23.45 6.92,22.35 6.32,22.35 6.32,23.45 ; 26.37,36.46 26.7,36.46 26.7,35.83 26.37,35.83 26.37,36.46 ; 20.54,45.03 20.54,46.13 21.14,46.13 21.14,45.03 20.54,45.03 ; 37.06,31.88 37.69,31.88 37.69,32.21 37.06,32.21 37.06,31.88 ; 42.39,52.25 42.39,53.35 42.99,53.35 42.99,52.25 42.39,52.25 ; 64.17,39.81 64.77,39.81 64.77,40.91 64.17,40.91 64.17,39.81 ; 55.23,40.34 56.33,40.34 56.33,39.74 55.23,39.74 55.23,40.34 ; 18.1,45.03 18.1,46.13 17.5,46.13 17.5,45.03 18.1,45.03 ; 36.8,8.17 36.8,8.8 37.13,8.8 37.13,8.17 36.8,8.17 ; 49.51,48.49 50.96,48.49 50.96,50.69 49.51,50.69 49.51,48.49 ; 26.97,47.42 27.57,47.42 27.57,48.52 26.97,48.52 26.97,47.42 ; 49.39,33.47 49.39,34.07 50.49,34.07 50.49,33.47 49.39,33.47 ; 42.19,50.36 42.19,51.46 41.59,51.46 41.59,50.36 42.19,50.36 ; 22.74,8.11 22.74,8.74 23.07,8.74 23.07,8.11 22.74,8.11 ; 68.9,35.72 68.9,37.47 69.85,37.47 69.85,35.72 68.9,35.72 ; 36.8,34.62 37.4,34.62 37.4,35.72 36.8,35.72 36.8,34.62 ; 45.97,44.51 45.97,45.11 47.07,45.11 47.07,44.51 45.97,44.51 ; 50.98,29.03 50.98,30.13 51.58,30.13 51.58,29.03 50.98,29.03 ; 49.51,44.7 49.51,46.9 50.96,46.9 50.96,44.7 49.51,44.7 ; 24.78,33.85 25.88,33.85 25.88,33.25 24.78,33.25 24.78,33.85 ; 44.02,52.53 45.12,52.53 45.12,51.93 44.02,51.93 44.02,52.53 ; 37.76,8.8 38.09,8.8 38.09,8.17 37.76,8.17 37.76,8.8 ; 64.67,44.94 65.77,44.94 65.77,44.34 64.67,44.34 64.67,44.94 ; 47.92,46.73 48.87,46.73 48.87,44.98 47.92,44.98 47.92,46.73 ; 35.72,8.84 36.32,8.84 36.32,7.74 35.72,7.74 35.72,8.84 ; 65.34,39.13 66.79,39.13 66.79,41.33 65.34,41.33 65.34,39.13 ; 37.06,31.39 37.69,31.39 37.69,31.06 37.06,31.06 37.06,31.39 ; 39.79,8.82 40.12,8.82 40.12,8.19 39.79,8.19 39.79,8.82 ; 5.3,34.9 6.4,34.9 6.4,34.3 5.3,34.3 5.3,34.9 ; 56.77,37.79 57.87,37.79 57.87,37.19 56.77,37.19 56.77,37.79 ; 3.36,14.39 3.36,14.99 2.26,14.99 2.26,14.39 3.36,14.39 ; 48.53,33.46 48.53,34.06 47.43,34.06 47.43,33.46 48.53,33.46 ; 49.39,34.5 50.49,34.5 50.49,35.1 49.39,35.1 49.39,34.5 ; 49.48,31.01 49.48,32.11 48.88,32.11 48.88,31.01 49.48,31.01 ; 2.93,18.56 2.93,19.66 3.53,19.66 3.53,18.56 2.93,18.56 ; 55.41,9.79 55.41,11.54 54.46,11.54 54.46,9.79 55.41,9.79 ; 47.12,29.93 48.22,29.93 48.22,30.53 47.12,30.53 47.12,29.93 ; 5.28,40.73 6.38,40.73 6.38,40.13 5.28,40.13 5.28,40.73 ; 11.5,26.57 12.1,26.57 12.1,25.47 11.5,25.47 11.5,26.57 ; 19.52,45.03 20.12,45.03 20.12,46.13 19.52,46.13 19.52,45.03 ; 24.41,8.77 25.01,8.77 25.01,7.67 24.41,7.67 24.41,8.77